# Altium PCB IntelligentCarFor51PcbDoc.PcbDoc (part 1 of 14)
Units mil, origin at the board's own origin, x right, y up, seen from the top; angles counter-clockwise.
Board outline 2298.05 x 2090.03 mil, 2 copper layers (Top Layer, Bottom Layer); 55 components, 66 nets, 258 pads, 143 vias.
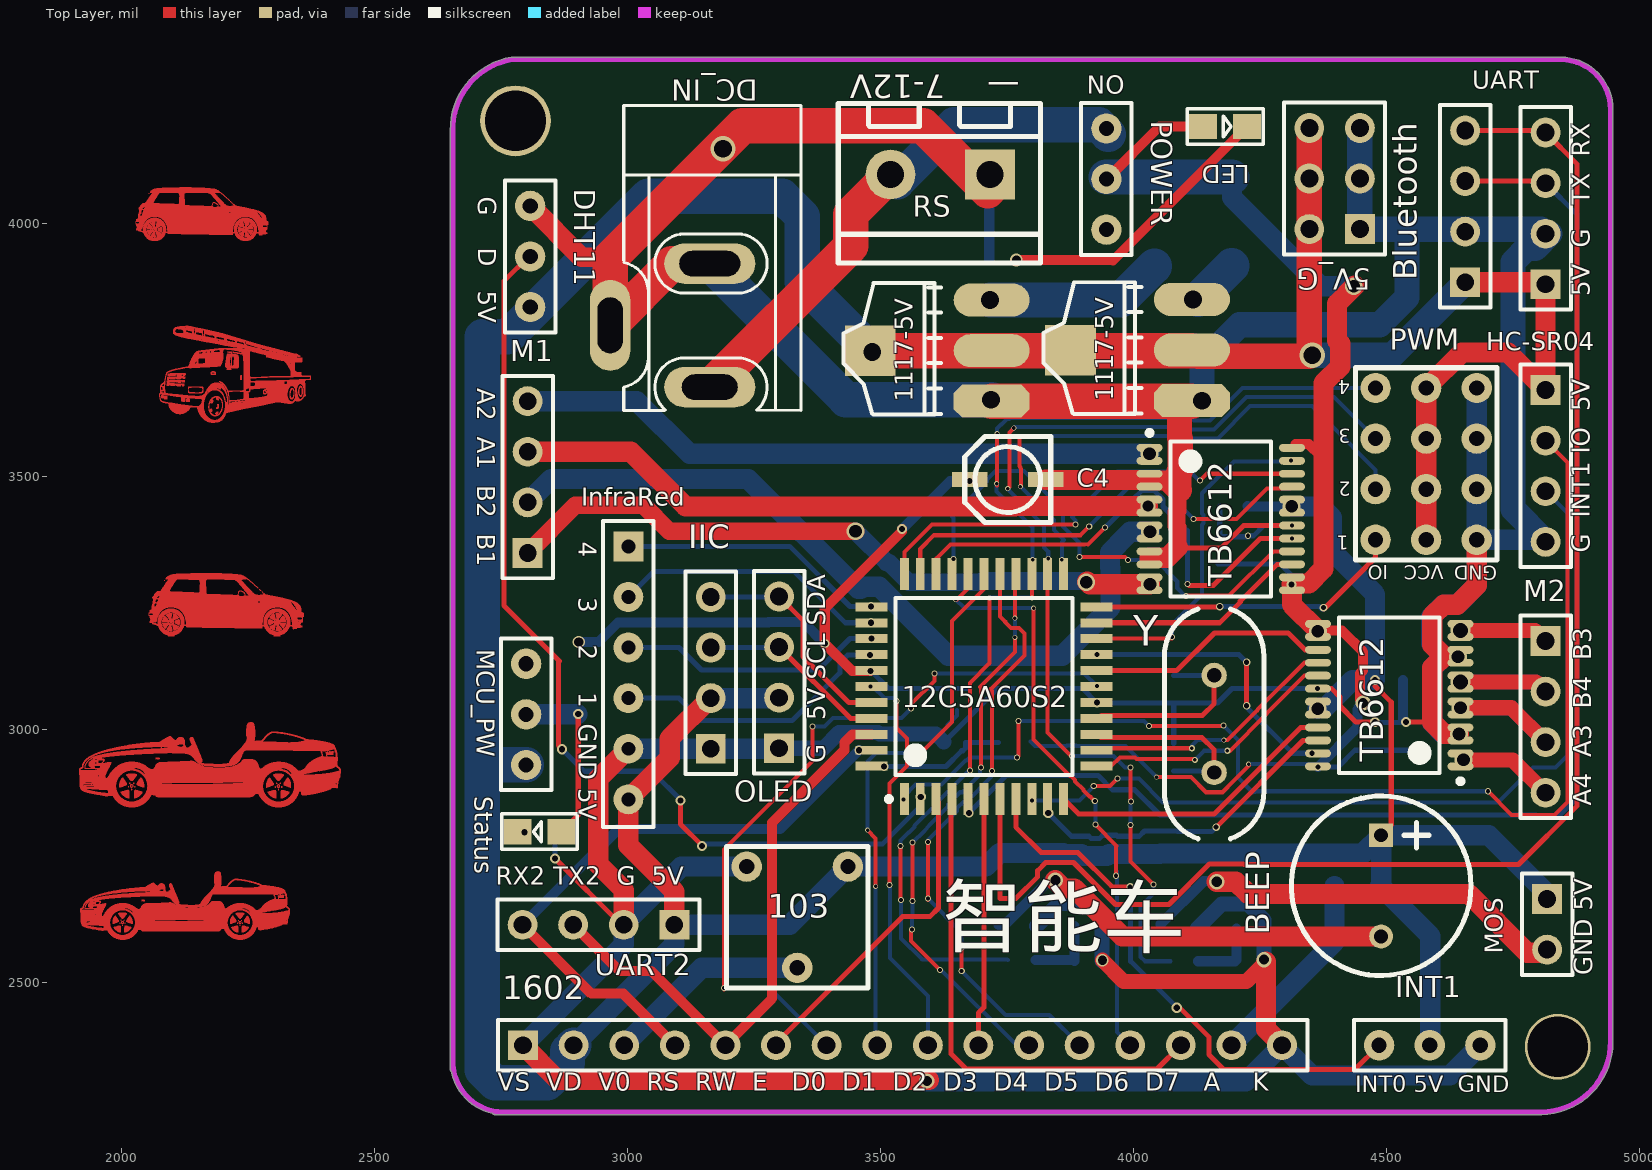
[diagram p0: Top Layer view]
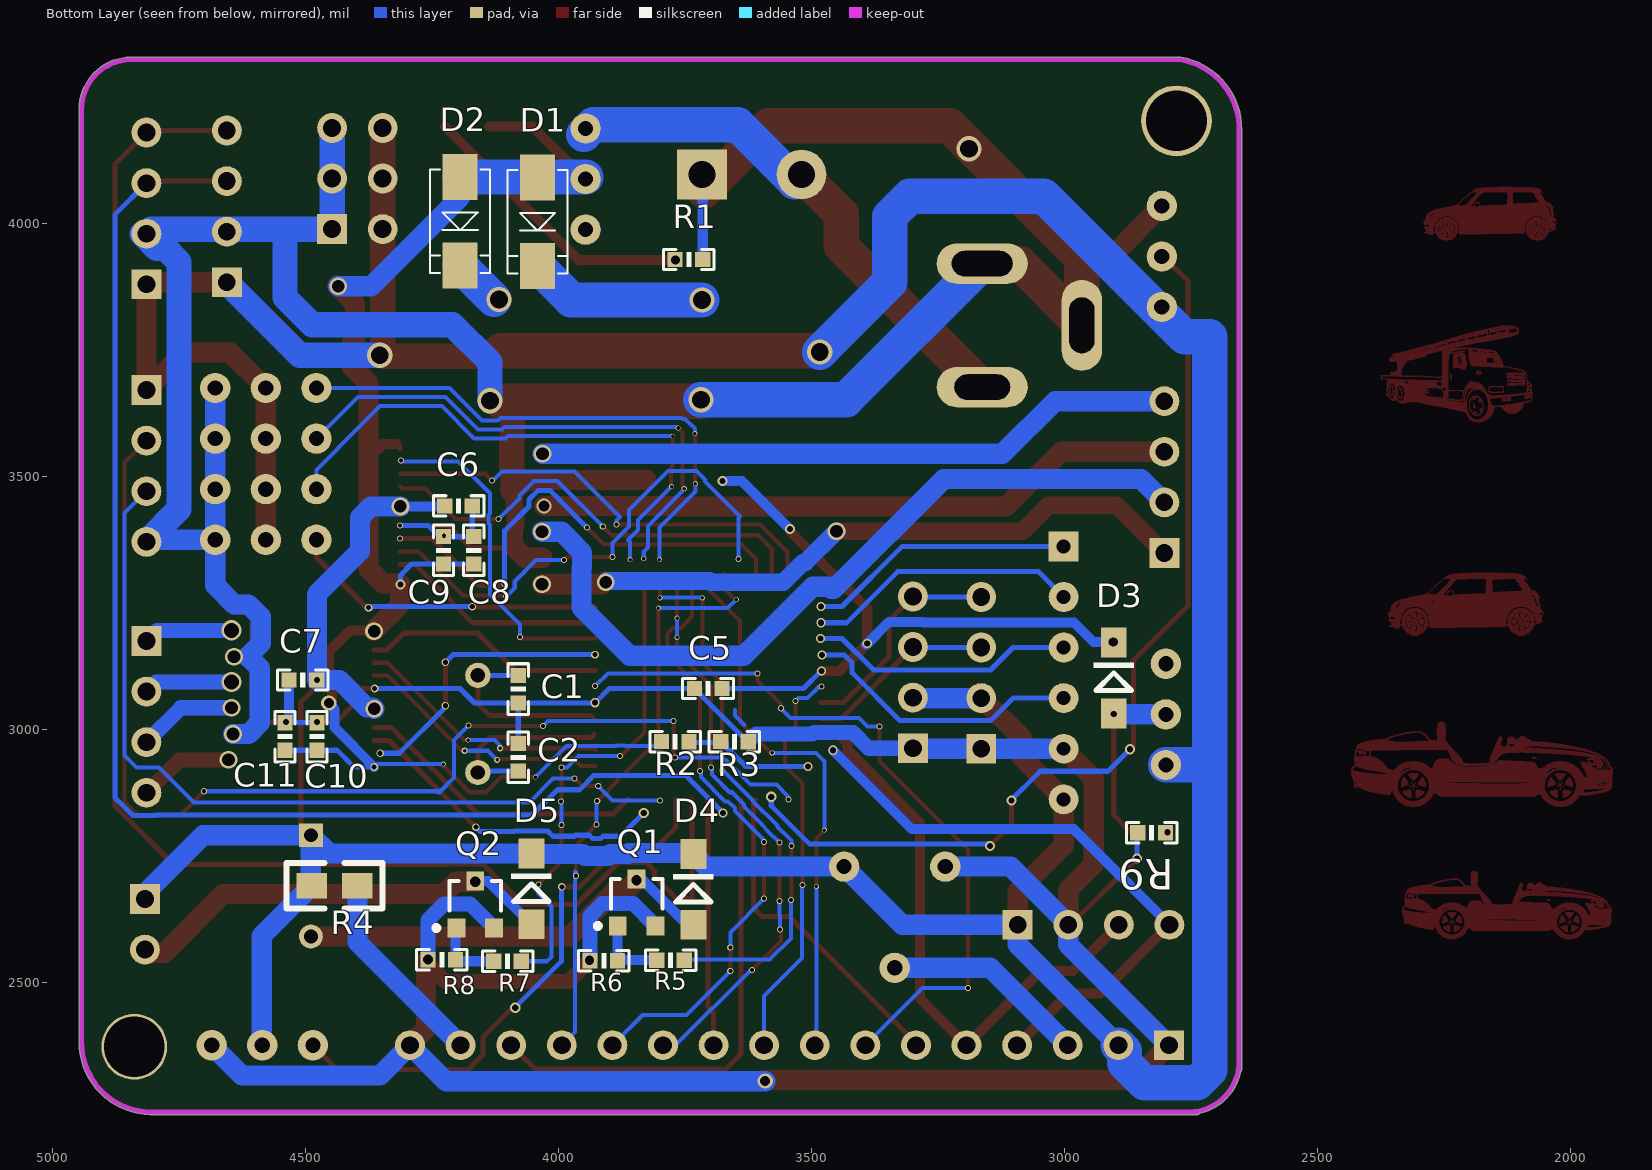
[diagram p1: Bottom Layer view, seen from below]

## Layer stack, top to bottom
Top Solder: solder mask 0.4, Solder Resist, Dk 3.5
Top Layer: signal copper 1.4
Dielectric 1: dielectric 12.6, FR-4, Dk 4.8
Bottom Layer: signal copper 1.4
Bottom Solder: solder mask 0.4, Solder Resist, Dk 3.5

## Board outline
2651.87,2325.08 ccw(c2756,2345) 2733.75,2241.34 ccw(c2738,2244) 2738,2238.99 4807,2238.99 ccw(c4807,2244) 4807.07,2238.99 ccw(c4805,2382) 4948.03,2382 ccw(c4805,2382) 4948.02,2384.03 ccw(c4805,2382) 4948.01,2384.07 4948.02,2384 4948.02,4224.97 ccw(c4845,4226) 4948.02,4226 ccw(c4845,4226) 4846.08,4329.01 ccw(c4845,4226) 4846.05,4329.01 4846.08,4329.01 ccw(c4846,4324) 4846,4329.02 2772,4329.02 ccw(c2772,4324) 2771.19,4328.95 ccw(c2794.33,4186.76) 2650.29,4184.72 ccw(c2655,4183) 2649.99,4183 2649.99,2346.03 cw(c2756,2345) 2649.99,2346.05 2649.99,2346.03 ccw(c2756,2345) 2649.99,2343.97 2649.99,2329 ccw(c2655,2329)

## Design rules (kind name [scope] priority, off if disabled: settings)
Clearance [All] p1: gap=10
DiffPairsRouting [All] p1: maxlimit=10 minlimit=7 mostfreqgap=10 toplayer_minwidth=15 toplayer_maxwidth=15 toplayer_prefwidth=15 bottomlayer_minwidth=15 bottomlayer_maxwidth=15 bottomlayer_prefwidth=15 maxuncoupledlength=500
FabricationTestpoint [All] p1: side=3 testpointundercomponent=TRUE minsize=20 maxsize=100 preferedsize=60 minholesize=0 maxholesize=40 preferedholesize=32 testpointgrid=1 allowsidetop=TRUE allowsidebottom=TRUE usegrid=TRUE gridtolerance=0.01
HoleSize [All] p1: absolutevalues=TRUE maxlimit=120 minlimit=1 maxpercent=80.000 minpercent=20.000
HoleToHoleClearance [All] p1: gap=2 allowstackedmicrovias=TRUE
MinimumSolderMaskSliver [All] p1: minsoldermaskwidth=0.2
PolygonConnect [All] p1: connectstyle=Relief reliefconductorwidth=10 reliefentries=4 polygonreliefangle="90 Angle" airgapwidth=10
RoutingVias [All] p1: holewidth=10 width=24 viastyle="Through Hole" minholewidth=6 minwidth=10 maxholewidth=30 maxwidth=50
SilkToSilkClearance [All] p1: silktosilkclearance=0
SilkToSolderMaskClearance [IsPad] p1: minsilkscreentomaskgap=0 clearancetoexposedcopper=TRUE
SolderMaskExpansion [All] p1: expansion=4
Width [All] p1: maxlimit=80 minlimit=7 preferedwidth=7
23 further rules are at their usual default settings.

## Classes and differential pairs
component class IntelligentCarFor51SchDoc: 1 5V_G 1602 * Bluetooth C1 C2 C4 C5 C6 C7 C8 C9 C10 C11 D1 D2 D3 D4 D5 DC_IN DHT11 HC-SR04 IIC InfraRed INT1 LED M1 M2 MCU_PW OLED P3 POWER PWM Q1 Q2 R1 R2 R3 R4 R5 R6 R7 R8 R9 RS Status UART UART2 Y

## Components (designator, comment, footprint, x,y, rotation, side; value= is the part's Value field where it differs from the comment)
5V_G "5V_G" HDR2X3 4448,3989 r90 top
1117-5 "AMS1117-5.0" AMS1117 4116,3650 r90 top
1117-5V "AMS1117-5.0" AMS1117 3720,3649 r90 top
1602 "1602" HDR1X16 2794,2376 r0 top
*1 "STC12C5A60S2" LQFP-44 3710,3050 r90 top
*10 "TB6612" TSOP65P760X120-24N 4258,3516 r0 top
*11 "TB6612" TSOP65P760X120-24N 4421,2968 r180 top
*12 "103R" R_change 3386,2639 r0 top
BEEP "BEEP" BELL-5 4490,2791 r270 top (schematic designator BEEP?)
Bluetooth "Bluetooth" HDR1X4 4656,3884 r90 top
C1 "22pF" 0603P 4080,3080 r270 bottom
C2 "22pF" 0603P 4080,2945 r90 bottom
C4 "10uF" Cap10uF 3752,3494 r0 top
C5 "103" 0603P 3705,3081 r180 bottom
C6 "100nf" 0603P 4198,3442 r0 bottom
C7 "100nF" 0603P 4506,3098 r180 bottom
C8 "104" 0603P 4168,3354 r90 bottom
C9 "10uF" 0603P 4228,3354 r90 bottom
C10 "104" 0603P 4478,2986 r90 bottom
C11 "10uF" 0603P 4541,2986 r90 bottom
D1 "1N4148" DIODE_3*5.3 4042,4001 r270 bottom
D2 "1N4148" DIODE_3*5.3 4195,4002 r270 bottom
D3 "1N4148" DIODE_SOP 2903,3032 r90 bottom
D4 "1N4148" DIODE_SOP 3734,2614 r90 bottom
D5 "1N4148" DIODE_SOP 4054,2615 r90 bottom
DC_IN "POWER" DC10B 2993,4096 r270 top
DHT11 "DHT11" header1*3 2803,3970 r90 top
HC-SR04 "HC-SR04" HDR1X4 4815,3671 r270 top
IIC "oled" HDR1X4 3165,2962 r90 top
InfraRed "InfraRed" header1*6 3107,2987 r270 top
INT1 "INT0" header1*3 4621,2381 r0 top
LED "LED1" SMDLED 4138,4192 r0 top
M1 "M1" HDR1X4 2803,3349 r90 top
M2 "M2" HDR1X4 4815,3175 r270 top
MCU_PW "POWER" header1*3 2805,2995 r270 top
MOS "M" HDR1X2 4818,2665 r270 top (schematic designator P2)
OLED "oled" HDR1X4 3300,2963 r90 top
POWER "POWER" header1*3 3952,4053 r270 top
PWM "SteeringEngine" HEAD3*4 4539,3460 r180 top (schematic designator SteeringEngine)
Q1 "S8550" SOT-23R 3846,2653 r180 bottom
Q2 "S8550" SOT-23R 4165,2649 r180 bottom
R1 "1K" 0603P 3743,3929 r180 bottom
R2 "10K" 0603P 3770,2976 r180 bottom
R3 "3K" 0603P 3653,2976 r180 bottom
R4 "10R" 0805 4488,2691 r180 bottom
R5 "100R" 0603P 3779,2544 r0 bottom
R6 "10K" 0603P 3911,2543 r0 bottom
R7 "100R" 0603P 4101,2542 r0 bottom
R8 "10K" 0603P 4231,2545 r0 bottom
R9 "1K" 0603P 2828,2796 r0 bottom
RS "RS485" HEAD2L-0.8 3717,4097 r180 top
Status "LED1" SMDLED 2870,2798 r180 top
UART "UART" HDR1X4 4815,3880 r90 top
UART2 "UART2" HDR1X4 3093,2614 r180 top
Y "12M" XTAL_US 4160,2915 r90 top

## Footprints (in the part's own frame and the unit in brackets; to place one, negate y for a bottom-side part, rotate by r counter-clockwise, add the part's x,y. Pads: shape width x height; smd on the part's side, far side on the other; paste and mask are expansions set on the pad)
0603P [mil]
  rect 30x30 smd: 1(-27,0) 2(27.5,-0.06)
  silkscreen extent -50,-20 50,20
0805 [mil]
  rect 60x50 smd: 1(0,0) 2(90,-0.06)
  silkscreen extent -50,-45 140,45
AMS1117 [mil]
  oct 65x150 smd: 1(0.03,-0.06)
  oval 65x150 smd: 2(100.03,-0.06) 3(200.03,-0.06)
  rect 100x100 smd: 4(100.03,239.94)
  silkscreen extent -26,100 234,293
BELL-5 [mm]
  rect 1.2x1.2 hole 0.7: 1(0,0)
  round 1.2 hole 0.7: 2(5.08,0)
  silkscreen extent -1.97,-4.51 7.05,4.51
Cap10uF [mil]
  rect 70x30 smd: 1(-75,0) 2(75,0)
  silkscreen extent -85,-85 85,85
DC10B [mil]
  oval 80x180 hole 50 slot 110 at 90 deg: 1(419.09,170)
  oval 80x180 hole 50 slot 120 at 90 deg: 2(175,170)
  oval 180x80 hole 50 slot 110 at 0 deg: 3(297.05,-26.85)
  silkscreen extent -138,0 465,350
DIODE_3*5.3 [mm]
  rect 2.3x1.75 smd: 1(-2.286,0) 2(2.159,0)
  silkscreen extent -2.67,-1.5 2.54,1.5
DIODE_SOP [mm]
  rect 1.5x1.3 smd: 1(0,0) 2(3.556,0)
  silkscreen extent 1.14,-1.02 2.56,1.02
HDR1X2 [mm]
  rect 1.5x1.5 hole 0.9: 1(0,0)
  round 1.5 hole 0.9: 2(2.54,0)
  silkscreen extent -1.27,-1.27 3.81,1.27
HDR1X4 [mm]
  rect 1.5x1.5 hole 0.889: 1(0,0)
  round 1.5 hole 0.889: 2(2.54,0) 3(5.08,0) 4(7.62,0)
  silkscreen extent -1.27,-1.27 8.89,1.27
HDR1X16 [mm]
  rect 1.5x1.5 hole 0.9: 1(0,0)
  round 1.5 hole 0.9: 2(2.54,0) 3(5.08,0) 4(7.62,0) 5(10.16,0) 6(12.7,0) 7(15.24,0) 8(17.78,0) 9(20.32,0) 10(22.86,0) 11(25.4,0) 12(27.94,0) 13(30.48,0) 14(33.02,0) 15(35.56,0) 16(38.1,0)
  silkscreen extent -1.27,-1.27 39.37,1.27
HDR2X3 [mm]
  rect 1.5x1.5 hole 0.9: 1(0,0)
  round 1.5 hole 0.9: 2(0,2.54) 3(2.54,0) 4(2.54,2.54) 5(5.08,0) 6(5.08,2.54)
  silkscreen extent -1.27,-1.27 6.35,3.81
HEAD2L-0.8 [mm]
  rect 2.5x2.5 hole 1.35: 1(0,0)
  round 2.5 hole 1.35: 2(5,0)
  silkscreen extent -2.54,-3.56 7.62,4.45
HEAD3*4 [mil]
  round 60 hole 30: 1(60,85) 2(60,-15) 3(60,-115) 4(60,-215) 5(-40,85) 5(-40,-15) 5(-40,-115) 5(-40,-215) 6(-140,-115) 6(-140,-15) 6(-140,85) 6(-140,-215)
  silkscreen extent -180,-255 100,125
header1*3 [mil]
  round 60 hole 30: 1(-135,-5) 2(-35,-5) 3(65,-5)
  silkscreen extent -185,-55 115,45
header1*6 [mm]
  rect 1.5x1.5 hole 0.7: 1(-9.525,-2.667)
  round 1.5 hole 0.7: 2(-6.985,-2.667) 3(-4.445,-2.667) 4(-1.905,-2.667) 5(0.635,-2.667) 6(3.175,-2.667)
  silkscreen extent -10.79,-3.94 4.57,-1.4
LQFP-44 [mm]
  rect 1.6x0.45 smd: 1(-4.761,4.127) 2(-4.761,3.327) 3(-4.761,2.527) 4(-4.761,1.727) 5(-4.761,0.927) 6(-4.761,0.127) 7(-4.761,-0.673) 8(-4.761,-1.473) 9(-4.761,-2.273) 10(-4.761,-3.073) 11(-4.761,-3.873) 23(6.539,-3.873) 24(6.539,-3.073) 25(6.539,-2.273) 26(6.539,-1.473) 27(6.539,-0.673) 28(6.539,0.127) 29(6.539,0.927) 30(6.539,1.727) 31(6.539,2.527) 32(6.539,3.327) 33(6.539,4.127)
  rect 0.45x1.6 smd: 12(-3.111,-5.523) 13(-2.311,-5.523) 14(-1.511,-5.523) 15(-0.711,-5.523) 16(0.089,-5.523) 17(0.889,-5.523) 18(1.689,-5.523) 19(2.489,-5.523) 20(3.289,-5.523) 21(4.089,-5.523) 22(4.889,-5.523) 34(4.889,5.777) 35(4.089,5.777) 36(3.289,5.777) 37(2.489,5.777) 38(1.689,5.777) 39(0.889,5.777) 40(0.089,5.777) 41(-0.711,5.777) 42(-1.511,5.777) 43(-2.311,5.777) 44(-3.111,5.777)
  silkscreen extent -4.89,-4.32 5.34,5.03, body extent -4.11,-4.87 5.89,5.13, height 1.6
R_change [mil]
  round 60 hole 30: 1(-150,90) 2(-50,-110) 3(50,90)
  silkscreen extent -190,-150 90,130
SMDLED [mm]
  rect 1.4x1.27 smd: 1(0.001,-0.002) 2(2.211,-0.002)
  silkscreen extent -0.8,-0.89 3.01,0.89
SOT-23R [mm]
  rect 0.9x0.95 smd: 1(0.95,-1.048) 2(-0.95,-1.048) 3(0,1.302)
  silkscreen extent -2.07,-1.17 1.3,1.3
TSOP65P760X120-24N [mm]
  oval 1.3x0.4 smd: 1(-5.734,1.035) 2(-5.734,0.385) 3(-5.734,-0.265) 4(-5.734,-0.915) 5(-5.734,-1.565) 6(-5.734,-2.215) 7(-5.734,-2.865) 8(-5.734,-3.515) 9(-5.734,-4.165) 10(-5.734,-4.815) 11(-5.734,-5.465) 12(-5.734,-6.115) 13(1.416,-6.115) 14(1.416,-5.465) 15(1.416,-4.815) 16(1.416,-4.165) 17(1.416,-3.515) 18(1.416,-2.865) 19(1.416,-2.215) 20(1.416,-1.565) 21(1.416,-0.915) 22(1.416,-0.265) 23(1.416,0.385) 24(1.416,1.035)
  silkscreen extent -5.86,-6.44 0.37,1.91, body extent -4.96,-6.44 0.64,1.36, height 1.2
XTAL_US [mil]
  round 50 hole 28: 1(0,0) 2(192.13,0)
  silkscreen extent -131,-98 323,98

## Part data
5V_G: library part "Header 3X2", "Header, 3-Pin, Dual row"
1117-5 1117-5V: library part AMS1117
1602: library part "Header 16", "Header, 16-Pin"
*12 INT1 MCU_PW POWER: library part header3*1
Bluetooth UART UART2: library part Header4booth
C1 C2 C5 C6 C7 C8 C9 C10 C11: library part C
C4: library part CAP
D1 D2 D3 D4 D5: library part D
DC_IN: library part POW
DHT11: library part DHT11_2
HC-SR04 M1 M2: library part "Header 4", "Header, 4-Pin"
InfraRed PWM: library part header1*6
LED Status: library part LED2, "Typical RED, GREEN, YELLOW, AMBER GaAs LED"
MOS: library part "Header 2", "Header, 2-Pin"
Q1 Q2: library part PNP, "8550/BCW68"
R1 R2 R3 R4 R5 R6 R7 R8 R9: library part R
RS: library part HEAD2
Y: library part XTAL, "Crystal Oscillator"

## Free pads (board coordinates)
  round 140 hole 120: 1(2779,4203)
  round 130 hole 120: 2(4839,2373)

## Via types
v1: diameter 12, hole 8, Top Layer to Bottom Layer, 53 vias
v2: diameter 10, hole 7, Top Layer to Bottom Layer, 20 vias
v3: diameter 20, hole 12, Top Layer to Bottom Layer, 15 vias
v4: diameter 35, hole 25, Top Layer to Bottom Layer, 13 vias
v5: diameter 15, hole 10, Top Layer to Bottom Layer, 10 vias
v6: diameter 18, hole 12, Top Layer to Bottom Layer, 10 vias
v7: diameter 50, hole 35, Top Layer to Bottom Layer, 7 vias
v8: diameter 30, hole 20, Top Layer to Bottom Layer, 5 vias
v9: diameter 12, hole 7, Top Layer to Bottom Layer, 3 vias
v10: diameter 25, hole 18, Top Layer to Bottom Layer, 2 vias
v11: diameter 40, hole 30, Top Layer to Bottom Layer, 2 vias
v12: diameter 8, hole 7, Top Layer to Bottom Layer, 1 vias
v13: diameter 30, hole 22, Top Layer to Bottom Layer, 1 vias
v14: diameter 24, hole 18, Top Layer to Bottom Layer, 1 vias

## Nets (pads, with @x,y where several pads share a name; then routed paths per layer and width w, separated by ;. In a path a pad name is that pad's centre, name@x,y a point inside that pad or via, vN(x,y) a via of type N, cw(c..) or ccw(c..) an arc to the next point about the centre after c; other vN are vias at no path point)
5V: 5V_G.2 5V_G.4 5V_G.6 1117-5.2 1117-5.4 1117-5V.2 1117-5V.4 1602.2 *10.19 *10.20 *11.19 *11.20 *12.3 BEEP.1 Bluetooth.1 C6.2 C7.2 D4.2 D5.2 DHT11.1 HC-SR04.1 IIC.2 InfraRed.6 INT1.2 MCU_PW.3 MOS.1 OLED.2 PWM.5 R4.1 UART2.1 UART.1 | length 9887.2
  Top Layer w10: *10.19@4313.75,3428.8 *10.20@4313.75,3454.39 ; *11.20@4365.25,3029.61 *11.19@4365.25,3055.2 ; v3(4478,3098) 4478,3086 4510,3054 4510,2811 BEEP.1@4490,2791
  Top Layer w40: 1602.2@2894,2376 1602.2@2894,2383 ; UART2.1@3093,2614 3093,2680 3002,2771 InfraRed.6@3002,2862 3084,2944 3084,2982.48 3163.52,3062 IIC.2@3165,3062 ; PWM.5@4579,3375 PWM.5@4579,3475 PWM.5@4579,3575 PWM.5@4579,3675 4649,3745 4741,3745 HC-SR04.1@4815,3671 UART.1@4815,3880 ; Bluetooth.1@4656,3884 UART.1@4811,3884
  Top Layer w50: 1117-5.2@4116.06,3750.03 4128.1,3738 4348,3738 5V_G.2@4348,3989 5V_G.4@4348,4089 5V_G.6@4348,4189
  Top Layer w70: 1117-5V.4@3480.06,3749.03 1117-5V.2@3720.06,3749.03 1117-5.2@4115.06,3749.03
  Bottom Layer w20: C6.2@4225.5,3442.06 4226.56,3441 v4(4313,3441)
  Bottom Layer w40: 1602.2@2894,2376 3093,2575 UART2.1@3093,2614 3321,2614 *12.3@3436,2729 3709,2729 D4.2@3734,2754 3736,2756 3861.5,2756 3863.5,2754 3897.8,2754 3901.8,2750 3948.2,2750 3952.2,2754 D5.2@4053,2754 ; IIC.2@3165,3062 OLED.2@3299,3062 ; D5.2@4054,2755 4454,2755 BEEP.1@4490,2791 ; v4(4313,3441) 4371,3441 4393,3419 4393,3352 4478,3267 v3(4478,3098) 4434.03,3098 4379.53,3043.5 4367.25,3043.5 v4(4364.75,3041) ; INT1.2@4587,2377 4587,2592 R4.1@4488,2691 4490,2693 BEEP.1@4490,2791 ; MOS.1@4823.5,2670.5 4703,2791 BEEP.1@4490,2791
  Bottom Layer w50: v7(4354,3740) 4512,3740 Bluetooth.1@4656,3884
  Bottom Layer w70: MCU_PW.3@2800,2930 2720,2930 2713,2923 ; 1602.2@2894,2376 2881.85,2363.85 2881.85,2341.15 2842.17,2301.47 2738.53,2301.47 2713,2327 2713,2923 ; v7(3484,3746) 3346,3884 3346,4014 3306,4054 3041,4054 2763,3776 2713,3776 2713,2923
5V_O: D3.1 MCU_PW.2 Status.1 | length 347.6
  Top Layer w10: Status.1@2869.97,2798.06 2903,2831.1 v3(2903,3031)
  Bottom Layer w40: MCU_PW.2@2800,3030 D3.1@2901,3030
7.4V: DC_IN.1 POWER.1 RS.2 | length 1039.2
  Top Layer w70: DC_IN.1@3163,3676.91 3442,3955.91 3442,4018.85 RS.2@3520.15,4097
  Bottom Layer w70: RS.2@3534.07,4083.07 3646,4195 3932,4195 POWER.1@3951,4176
1602E: 1602.6 *1.3 | length 734.3
  Top Layer w10: 1602.6@3294,2376 3318,2376 3294,2352 3294,2380 3544,2630 3598,2630 3615,2647 3615,2858.07 *1.3@3611,2862.07
ADC: *1.44 R2.2 R3.1 | length 251.8
  Bottom Layer w10: v6(3507,2927) 3629.85,2927 3660.85,2958 3663,2958 3669,2964 3669,2974 R2.2@3733.44,2974
AO1: *10.5 *10.6 M1.3 | length 1296.7
  Top Layer w10: *10.6@4032.25,3428.8 *10.5@4032.25,3454.39
  Top Layer w40: M1.3@2803,3549 3007,3549 3115,3441 3766.5,3441 3767.5,3442 v13(4029,3442)
AO2: *10.1 *10.2 M1.4 | length 1297.9
  Top Layer w10: *10.2@4032.25,3531.16 v4(4032.25,3545) *10.1@4032.25,3556.75
  Bottom Layer w40: M1.4@2803,3649 3019,3649 3123,3545 v4(4032.25,3545)
AO3: *11.5 *11.6 M2.3 | length 392.8
  Top Layer w30: v4(4646.75,3043) 4747,3043 M2.3@4815,2975
  Bottom Layer w30: v4(4646.75,3043) 4747,3043 M2.3@4815,2975
AO4: *11.1 *11.2 M2.4 | length 189.2
  Top Layer w30: v4(4652.75,2940.05) 4749.95,2940.05 M2.4@4815,2875
BO1: *10.11 *10.12 M1.1 | length 1334
  Top Layer w35: M1.1@2803,3349 2897,3443 3032,3443 3083,3392 v4(3451,3392)
  Top Layer w40: v4@3909,3292 3914,3287 v4(4033,3287)
  Bottom Layer w35: v4(3451,3392) 3513.5,3329.5 3517.83,3329.5 3556.33,3291 3699.04,3291 3701.54,3293.5 3904.5,3293.5 v4(3907,3291)
BO2: *10.7 *10.8 M1.2 | length 1589.9
  Top Layer w10: *10.8@4032.25,3377.61 *10.7@4032.25,3403.2
  Bottom Layer w40: M1.2@2803,3449 2849,3495 3239,3495 3456,3278 3461.85,3278 3465.85,3282 3498.15,3282 3634.15,3146 3860,3146 3955,3241 3955,3319.09 3954,3320.09 3954,3349.91 3971,3366.91 3971,3368 3994,3391 v4(4033,3391)
BO3: *11.11 *11.12 M2.1 | length 353.4
  Top Layer w30: v11(4647,3196) 4794,3196 M2.1@4815,3175
  Bottom Layer w30: v11(4647,3196) 4794,3196 M2.1@4815,3175
BO4: *11.7 *11.8 M2.2 | length 352.2
  Top Layer w30: v11(4646.75,3094) 4796,3094 M2.2@4815,3075
  Bottom Layer w30: v11(4646.75,3094) 4796,3094 M2.2@4815,3075
DATA: *1.2 DHT11.2 | length 1915.8
  Top Layer w10: DHT11.2@2806.5,3936.5 2756,3886 2756,3245 2866,3135 2864,3133 2864,2968 v3(2871,2961) ; v3(3105,2860) 3105,2813 v3(3148,2770)
  Bottom Layer w10: v3(2871,2961) 2914.53,2917.47 3048.53,2917.47 v3@3108,2858 ; v3(3148,2770) 3152,2774 3504.77,2774 3580,2849.23 v3(3580,2867)
GND: 5V_G.1 5V_G.3 5V_G.5 1117-5.1 1117-5V.1 1602.1 1602.16 *1.16 *10.3 *10.4 *10.9 *10.10 *10.18 *11.3 *11.4 *11.9 *11.10 *11.18 *12.1 Bluetooth.2 C1.2 C2.2 C4.2 C5.1 C6.1 C7.1 C8.2 C9.2 C10.2 C11.2 DC_IN.2 DC_IN.3 DHT11.3 HC-SR04.4 IIC.1 InfraRed.5 INT1.3 OLED.1 PWM.6 Q1.1 Q2.1 R1.2 R3.2 R6.2 R8.2 R9.2 RS.1 UART2.2 UART.2 | length 13359
  Top Layer w10: v3(2857,2745) 2988,2614 UART2.2@2993,2614 ; 4088,3359 4174,3359 4218.2,3403.2 v1(4313.75,3403.2) ; *11.18@4365.25,3080.8 4392.2,3080.8 4408.65,3064.35 4408.65,3046.35 4440,3015 v3(4478,3015) ; v3(4539,3015) 4590.08,3015
  Top Layer w30: v10(3939,2544) 3981,2502 4223.56,2502 v8@4262.56,2541
  Top Layer w35: 4087.84,3360.08 4087.84,3399.78 4085.5,3402.12 4085.5,3429.88 4087.84,3432.22 4087.84,3470.07
  Top Layer w40: 1602.1@2794,2376 2863,2307 v8@3596.53,2307 ; DHT11.3@2808.07,4035.07 2909.4,3933.75 2966.15,3932 ; UART2.2@2993,2614 2993,2683 2942.47,2733.53 2942.47,2902.47 InfraRed.5@3002,2962 ; C4.2@3827,3494 3827,3493.28 4031.97,3493.28 4032.99,3492.26 4065.66,3492.26 4087.84,3470.07 ; 4032.25,3339.74 4067.5,3339.74 4087.84,3360.08 ; v8@4262.56,2541 4262.56,2407.44 1602.16@4294,2376 ; v4(4644,2991) 4614.08,2991 4614.08,2991.74 4613.34,2991.74 4591.16,3013.93 4591.16,3122.07 4613.34,3144.26 4616.9,3144.26 4615.87,3145.28 4613.34,3145.28 4591.16,3167.47 4591.16,3224.44 4613.34,3246.62 4640.62,3246.62 4679,3285 PWM.6@4679,3375
  Top Layer w50: DC_IN.2@3088.2,3921 DC_IN.2@3163,3921 ; 4091.38,3473.61 4090,3474.99 4090,3507.98 4092.84,3510.83 4092.84,3574.51 4091.38,3575.97 4091.38,3625.35 4115.06,3649.03 1117-5.1@4116.06,3650.03
  Top Layer w70: DC_IN.2@3088.2,3921 DC_IN.3@2966.15,3798.95 2966.15,3932 3227.15,4193 3584.85,4193 RS.1@3712.85,4065 ; 1117-5V.1@3720.06,3649.03 1117-5.1@4115.06,3649.03
  Bottom Layer w10: R9.2@2855.5,2796.06 2857,2794.56 v3(2857,2745) v3@2857,2743 ; R3.2@3627.94,2976.94 C5.1@3732,3081 3900,3081 v6(3928,3053) 3928.5,3052.5 C1.2@4080.06,3052.5 ; C2.2@4080.06,2972.63 C1.2@4080.06,3052.5 ; C8.2@4167.94,3381 C9.2@4227.94,3381 ; C8.2@4171,3384.06 C6.1@4171,3442 ; v1(4226.94,3383) 4238,3383 4258.2,3403.2 v1(4313.75,3403.2) ; v5(4364,3081) 4195,3081 4166.5,3052.5 C1.2@4080.06,3052.5 ; C10.2@4477.94,3013.5 C11.2@4540.94,3013.5
  Bottom Layer w20: R1.2@3715.5,3928.94 RS.1@3715.5,4062.35 ; C11.2@4533,3021 C7.1@4533,3098
  Bottom Layer w30: OLED.1@3300,2963 3387.5,2963 3418.5,2994 3495.5,2994 3498.5,2991 3610.44,2991 R3.2@3625.5,2975.94 ; Q1.1@3808.6,2611.74 3852.86,2656 3914,2656 3938.5,2631.5 R6.2@3938.5,2543.06 ; Q2.1@4127.6,2607.74 4174.86,2655 4226.91,2655 4258.5,2623.41 v8(4258.5,2545.06)
  Bottom Layer w40: 1602.1@2794,2376 2993,2575 UART2.2@2993,2614 2993,2615.48 3106.52,2729 *12.1@3236,2729 ; InfraRed.5@3002,2962 IIC.1@3165,2962 OLED.1@3299,2962 ; v8(3592,2305) 4223,2305 1602.16@4294,2376 4354,2316 4626,2316 INT1.3@4686,2376 ; v4(4644,2991) 4613,2991 4591,3013 4591,3121 4614,3144 4615,3144 4589,3170 4589,3223 4613,3247 4641,3247 4679,3285 PWM.6@4679,3375 ; PWM.6@4679,3675 PWM.6@4679,3575 PWM.6@4679,3475 PWM.6@4679,3375 ; HC-SR04.4@4811,3375 PWM.6@4679,3375
  Bottom Layer w50: v7(4136,3650) 4136,3726 4210,3800 4487.15,3800 4541,3853.85 4541,3989 5V_G.1@4448,3989 ; 5V_G.5@4448,4189 5V_G.3@4448,4089 5V_G.1@4448,3989 ; UART.2@4806,3989 5V_G.1@4448,3989 ; HC-SR04.4@4815,3371 4750.47,3435.53 4750.47,3924.03 4777.72,3951.28 4794.83,3951.28 4823.55,3980 UART.2@4815,3980
  Bottom Layer w70: DC_IN.2@3163,3921 3432,3652 v7(3719,3652)
  other v4: 4642,3144
  other v7: 3189,4148
InfraRed1: *1.37 InfraRed.4 | length 561.6
  Bottom Layer w10: InfraRed.4@3002,3062 3102.03,3062 3146.56,3017.47 3325.47,3017.47 3420,3112 3420,3131.72 3435.28,3147 v6(3480,3147)
InfraRed2: *1.36 InfraRed.3 | length 525.3
  Bottom Layer w10: InfraRed.3@3002,3162 3102.03,3162 3146.56,3117.47 3183.44,3117.47 3183.97,3118 3378,3118 3440,3180 v6(3483,3180)
InfraRed3: *1.35 InfraRed.2 | length 542.5
  Bottom Layer w10: InfraRed.2@3002,3262 3052,3312 3330,3312 3431,3211 v6(3482,3211)
InfraRed4: *1.34 InfraRed.1 | length 529.3
  Bottom Layer w10: InfraRed.1@3002,3362 3321,3362 3440,3243 v6(3482,3243)
INT0: *1.8 INT1.1 | length 1096
  Top Layer w10: *1.8@3767.99,2862.56 3767.99,2807.01 3818,2757 3890.3,2757 3958.3,2689 v5(3994,2689) ; v3(4086,2450) 4092,2450 4149.47,2392.53 4149.47,2357.56 4179.03,2328 4438,2328 INT1.1@4486,2376
  Bottom Layer w10: v5@3995,2687 3995,2542 4086,2451 v3(4086,2450)
INT1: *1.9 HC-SR04.3 | length 1674.6
  Top Layer w8: v1(3922,2888) 3954,2888 v1(3969,2903)
  Bottom Layer w8: v1(3800,2860) 3894,2860 v1(3922,2888) ; v1(3969,2903) 4011,2903 4058,2856 4721,2856 4790,2925 4835,2925 4858.53,2948.53 4858.53,3427.47 HC-SR04.3@4815,3471
Net1117-5_3: 1117-5.3 D2.2 | length 104.8
  Bottom Layer w50: v7(4118,3850) v7@4128,3850
  Bottom Layer w70: v7@4128,3850 D2.2@4195,3917
Net1117-5V_3: 1117-5V.3 D1.2 | length 352.8
  Bottom Layer w70: v7(3717,3849) 3975,3849 D1.2@4042,3916
Net1602_15: 1602.15 R4.2 | length 399.4
  Bottom Layer w40: 1602.15@4194,2376 4398,2580 R4.2@4398,2690.94
Net*1_14: *1.14 C2.1 Y.1 | length 364.4
  Top Layer w10: *1.14@3930,2990 3936,2984 4136,2984 4160,2960 Y.1@4160,2915
  Bottom Layer w10: C2.1@4080,2918 Y.1@4157,2918
Net*1_15: *1.15 C1.1 Y.2 | length 377
  Top Layer w10: *1.15@3931,3022 3937,3028 4137,3028 4160,3051 Y.2@4160,3107.13
  Bottom Layer w10: C1.1@4080.13,3107.13 Y.2@4160,3107.13
NetBEEP?_2: BEEP.2 D4.1 Q1.3 | length 839.4
  Top Layer w40: v8(3846,2702) 3862.48,2685.52 3884,2685.52 3978.52,2591 BEEP.2@4490,2591
  Bottom Layer w20: D4.1@3734,2614 3746,2614 3836.26,2704.26 Q1.3@3846,2704.26
NetD5_1: D5.1 MOS.2 Q2.3 | length 857.3
  Top Layer w40: v8(4165,2699) 4203,2699 4227,2675 4663,2675 4779,2559 MOS.2@4818,2559
  Bottom Layer w20: D5.1@4054,2615 4139.26,2700.26 Q2.3@4165,2700.26
NetLED_2: LED.2 R1.1 | length 566.2
  Top Layer w20: v10(3769,3928) 3959.1,3928 3960.1,3927 LED.2@4225.04,4191.94
NetQ1_2: Q1.2 R5.2 R6.1 | length 144.6
  Bottom Layer w20: R5.2@3806.5,2544.06 R6.1@3882.94,2544.06 ; R6.1@3884,2543 Q1.2@3884,2611.14
NetQ2_2: Q2.2 R7.2 R8.1 | length 133.7
  Bottom Layer w20: R7.2@4128.5,2542.06 R8.1@4201.06,2542.06 ; R8.1@4204,2545 Q2.2@4204,2606.14
NetR9_1: R9.1 Status.2
  other v3: 2797,2797
out7.4V: *10.13 *10.14 *10.24 *11.13 *11.14 *11.24 C8.1 C9.1 C10.1 C11.1 D1.1 D2.1 LED.1 POWER.2 R2.1 | length 3063
  Top Layer w8: v2(4046,2906) 4113.85,2906 4143.85,2876 4176.15,2876 4199,2898.85 v2@4229.08,2928.92
  Top Layer w10: v3@4313.75,3287 v3@4313.75,3287.75 ; *10.24@4313.75,3554.03 *10.24@4313.75,3556.75 *10.24@4321,3564 ; 4371.34,3539.66 4376,3535
  Top Layer w20: POWER.2@3947.5,4087.5 4051.94,4191.94 LED.1@4138.03,4191.94 ; *10.24@4321,3564 4347,3564 4371.34,3539.66 ; v4@4365.25,3195.44 4412.56,3195.44 4454.5,3153.5 4454.5,3116.93 4448,3110.43 4448,3059 v8(4454.5,3052.5)
  Top Layer w40: v3(4313,3287) 4313.75,3287.75 4314.56,3288.56 4347.15,3288.56 4376,3317.41 4376,3535 4376,3684.22 4409,3717.22 4409,3762.78 4403,3768.78 4403,3842 v4@4438,3877 ; v3@4313.75,3287 *10.13@4313.75,3275.25 4313.75,3246.94 v4@4365.25,3195.44
  Bottom Layer w8: R2.1@3797,2976 3806,2967 3867.72,2967 3868.72,2968 3887.28,2968 3888.28,2967 3985,2967 v2(4046,2906) ; v2(4228,2931.56) 4359.44,2931.56
  Bottom Layer w10: C8.1@4168,3327 C9.1@4228,3327 4291,3327 4313,3305 v3(4313,3287) ; v5(4365,2926) 4405,2926 4438,2959 C10.1@4478,2959 C11.1@4541,2959
  Bottom Layer w20: v5(4365,2926) 4442.94,3003.94 4442.94,3039.94 v8@4456.5,3053.5
  Bottom Layer w40: D2.1@4195,4092 4195,4052 4371,3876 v4(4436,3876)
  Bottom Layer w70: POWER.2@3947,4092 D2.1@4195,4092
  other v4: 4365,3194
P04: *1.33 *10.22 | length 906.9
  Top Layer w8: *1.33@3547.52,3307.44 3547.52,3350.52 3602,3405 v1(3886,3405) ; v1(4132,3492) 4145.57,3505.57 *10.22@4313.75,3505.57
  Bottom Layer w8: v1(3886,3405) 3886,3413.46 3879.23,3420.23 3969,3510 4112,3510 4130,3492 v1(4132,3492)
P05: *1.32 *10.21 | length 901.6
  Top Layer w8: *1.32@3579.02,3307.44 3579.02,3356.56 3606.46,3384 3896,3384 v1(3913,3401) ; v1(4119,3416) 4204.13,3416 4264.39,3476.26 4310.03,3476.26 *10.21@4313.75,3479.98
  Bottom Layer w8: v1@3912,3400 v1(3913,3401) 4003,3491 4049.3,3491 4078,3462.3 4078,3457 v1(4119,3416)
P06: *1.31 *10.17 | length 974.5
  Top Layer w7: 3903.46,3366 3911,3366
  Top Layer w8: *1.31@3610.51,3307.44 3610.51,3337.51 3639,3366 3903.46,3366 ; 3911,3366 v1(3944,3399)
  Top Layer w10: v1(4107,3288) 4110,3285 4158.63,3285 4251.25,3377.61 v1(4313.75,3377.61)
  Bottom Layer w10: v1(3944,3399) 3999,3454 3999,3454.43 4016.57,3472 4041.43,3472 4059,3454.43 4059,3441 4107,3393 v1(4107,3288)
P07: *1.30 *10.16 | length 978.2
  Top Layer w8: v1(3894,3341) 3984,3341 v1(3990,3335) ; v1(4104,3264) 4104.5,3264.5 4189.5,3264.5 4277.02,3352.02 *10.16@4313.75,3352.02
  Bottom Layer w8: v1(3645,3337) 3645,3418 3642,3421 3711,3490 3711,3493.87 3728.13,3511 3784,3511 3861.23,3433.77 3861.23,3401.49 3894,3368.72 v1(3894,3341) ; v1(3990,3335) 4045,3335 4087,3293 4087,3279.72 4102.72,3264 v1(4104,3264)
P15: *1.1 HC-SR04.2 | length 2286
  Top Layer w8: v1(3770,2945) 3773,2948 v1(3773,3017) ; v1(4031,3007) v1@4177,3007 ; v1(4701,2878) 4748,2831 4832.56,2831 4858.53,2856.97 4858.53,3527.47 HC-SR04.2@4815,3571
  Bottom Layer w8: v1(3546,2862) 3546,2866.94 3570.06,2891 3620.72,2891 3668.72,2939 3670.87,2939 3676.87,2945 v1(3770,2945) ; v1(3773,3017) 4021,3017 v1(4031,3007) ; v1(4178,3008) 4207,2979 4207,2905 4236,2876 4239,2879 4241,2877 4242,2878 v1(4701,2878)
P20: *1.18 *11.15 | length 482.5
  Top Layer w10: *1.18@3927.44,3116.5 4085.92,3116.5 4160.41,3190.98 4191.29,3190.98 4306,3191 4339.43,3157.57 *11.15@4365.25,3157.57
P21: *1.19 *11.23 | length 549.8
  Top Layer w10: v5(4224,3047) v5(4224,3133)
  Bottom Layer w10: v5(3928.44,3147.99) 4209.01,3147.99 v5(4224,3133) ; v5@4227.5,3040.5 4315.16,2952.84 4315.37,2953.06 v5(4353.17,2953.06)
P22: *1.20 *10.23 | length 665.2
  Top Layer w8: *1.20@3927.44,3179.49 4076.49,3179.49 v1@4078,3181
  Bottom Layer w8: v1(4077,3183) 4077,3208 4136,3267 4136,3404.72 4139,3407.72 4139,3424.28 4136,3427.28 4136,3467 4199,3530 v1@4313,3530
  other v1: 4312,3532
P23: *1.21 *10.15 | length 435.2
  Top Layer w10: *1.21@3927.44,3210.98 4170.8,3210.98 4211.5,3251.68 4211.5,3253.5 4284.43,3326.43 *10.15@4313.75,3326.43
P34: *1.10 *11.22 | length 637
  Top Layer w10: v5(4164,2807) 4335.43,2978.43 *11.22@4365.25,2978.43
  Bottom Layer w10: v3(3832,2835) 3878,2789 3912.3,2789 3916.3,2785 3933.7,2785 3939.7,2791 3966.59,2791 3968.59,2789 4011.67,2789 4022.2,2799.53 4085.8,2799.53 4087.33,2798 4155,2798 v5(4164,2807)
P35: *1.11 *11.21 | length 585.9
  Top Layer w10: *1.11@3862.48,2862.56 3892.04,2833 4160.02,2833 4205.21,2878.19 4243.23,2916.21 ; 4243.23,2916.23 4331.02,3004.02 *11.21@4365.25,3004.02
P36: *1.12 *11.17 | length 516.6
  Top Layer w8: *1.12@3927.44,2927.52 3956.1,2927.52 3973.58,2945 4003.28,2945 4006.28,2942 4120,2942 v9(4122,2940) ; v9(4186,2958) 4190.86,2958 4263.5,3030.64 4263.5,3031.64 4338.25,3106.39 *11.17@4365.25,3106.39
  Bottom Layer w8: v9(4122,2940) 4140,2958 v9(4186,2958)
P37: *1.13 *11.16 | length 513
  Top Layer w8: *1.13@3927.44,2959.02 3931.43,2963 v9(4116,2963) ; v2(4179,2979) 4186.41,2979 4245.5,3038.09 4245.5,3039.09 4251.7,3045.3 4338.38,3131.98 *11.16@4365.25,3131.98
  Bottom Layer w8: v9(4116,2963) 4116,2968 4127,2979 v2(4179,2979)
P40: 1602.7 *1.17 | length 1471.6
  Top Layer w8: v1@3191,2486 v1(3191,2489) 3191,2763 3366,2938 v1(3366,3006) ; v1(3561,3042) 3561,3050 3607,3096 v1(3607,3111)
  Bottom Layer w8: v1(3191,2489) 3281,2489 1602.7@3394,2376 ; v1(3366,3006) 3389.49,3006 3406.49,3023 3542,3023 v1(3561,3042) ; v1(3607,3111) 3903,3111 v1(3928,3086)
P41: 1602.8 *1.28 | length 1085.1
  Top Layer w8: v2(3475,2801) 3491,2785 v2(3491,2690) ; v2@3580,2953 3642,3015 3642,3214.87 3705,3277.87 *1.28@3705,3307.44
  Bottom Layer w8: v2(3475,2801) 3475,2937 3492,2954 v2(3578,2954) ; v2(3491,2690) 3491,2379 1602.8@3494,2376
P42: 1602.9 *1.39 | length 798.5
  Top Layer w8: v1(3518,2693) 3518,2893.19 3553,2928.19 3553,2982.3 3531,3004.3 3532,3005.3 v1(3532,3056)
  Bottom Layer w8: v1(3481,3085) 3485.13,3085 3508.19,3061.94 3526.06,3061.94 v1(3532,3056) ; v1(3518,2693) 3519,2692 3519,2548 3594,2473 1602.9@3594,2376
P43: 1602.10 *1.6 | length 491.1
  Top Layer w10: 1602.10@3694,2376 3694,2440 3705,2451 *1.6@3705,2862.56
P44: 1602.11 *1.26 | length 1137.9
  Top Layer w8: v1(3563,2605) 3561,2603 3561,2582 v1(3618,2525) ; v1(3564,2661) v1(3564,2776.33) ; v1@3698,2926 v1(3699,2925) 3699,3082 3697,3084 3766,3153 v2(3766,3182) ; v2(3766,3220) 3766,3295.43 3765,3296.43 3772,3303.43 *1.26@3767.99,3307.44
  Bottom Layer w8: v1(3563,2605) v1(3564,2661) ; v1(3564,2776.33) 3587.48,2799.81 3597.2,2810.92 3634,2847.72 3634,2851.98 3658.02,2876 3662.28,2876 3697,2910.72 3697,2923 v1(3699,2925) ; v1@3619,2526 3769,2376 1602.11@3794,2376 ; v2(3766,3182) v2(3766,3220)
P45: 1602.12 *1.27 | length 1224.3
  Top Layer w8: v1@3594,2663 v1(3594,2666) v1(3594,2778) ; v1(3661,2523) v1(3661,2569) ; v1(3721,2918) 3721,3072.54 3720,3073.54 3721,3074.54 3720,3075.54 3721,3076.54 3718,3079.54 3785,3146.54 3785,3189.87 3773.87,3201 3758.13,3201 3747,3212.13 3747,3213.13 3736.5,3223.63 *1.27@3736.5,3307.44
  Bottom Layer w8: v1@3592,2778.87 3593.29,2780.16 3593.65,2780.16 3652,2838.51 3652,2844.53 3665.47,2858 3671.13,2858 3719,2905.87 v1@3719,2918 ; v1(3594,2666) 3661,2599 v1(3661,2569) ; v1(3661,2523) 3748,2436 3834,2436 1602.12@3894,2376
P46: 1602.13 *1.29 | length 1185.6
  Top Layer w8: v2@3651,3256 3673.5,3278.5 *1.29@3673.5,3307.44 ; v2(3803,3240) 3803,2980 3874.94,2908.06 3877.14,2908.06 3885.34,2899.85 3885.34,2897.66 3902,2881 3902,2879.72 3913.72,2868 3915,2868 v1(3924,2859) ; v1(3925,2812) 3967,2770 3966,2769 v1(3966,2711)
  Bottom Layer w8: v2(3649,3257) 3666,3240 v2(3803,3240) ; v1(3924,2859) 3923,2858 3925,2856 v1(3925,2812) ; v1(3966,2711) 3966,2718 3967.5,2719.5 3967.5,2402.5 1602.13@3994,2376
P47: 1602.14 *1.4 | length 990.3
  Top Layer w10: *1.4@3642.01,2862.56 3640,2860.55 3640,2359 3670,2329 4047,2329 1602.14@4094,2376
PWM1: *1.22 PWM.1 | length 634
  Top Layer w10: *1.22@3927.44,3242.48 v5@4170.48,3242.48 ; v5(4376,3241) 4376,3239 4377,3238 4479,3340 PWM.1@4479,3375
  Bottom Layer w10: v5(4171,3243) 4368,3243 4373,3238 v5(4376,3241)
PWM2: *1.23 PWM.2 | length 1108.1
  Top Layer w8: v12(3775,3580) 3775,3522 ; v2(3777,3480) 3778,3481 3778,3514.8 ; 3775,3522 3777.08,3517 3775,3522
  Bottom Layer w8: v12(3775,3580) 4099.93,3580 4104.93,3575 4167.07,3575 4231.07,3639 4353,3639 4435,3557 4435,3556.77 4479,3512.77 PWM.2@4479,3475 ; v2(3777,3480) 3843.23,3413.77 3843.23,3394.03 3863,3374.26 3859,3370.26 v2(3859,3336)
PWM3: *1.24 PWM.3 R7.1 | length 2034.9
  Top Layer w8: v2(3752,3476) 3755,3479 3755,3586.92 v2(3764,3595.92) ; *1.24@3830.98,3307.44 3830.98,2994.02 3877,2948 v1(3879,2948) ; v1@3995,2808.54 3995,2739 v1(4040,2694) ; v1@3995,2860 v1(3995,2925)
  Bottom Layer w8: v2(3752,3476) 3752,3474 3824,3402 3824,3360 3832,3352 v2(3832,3338) ; v2(3764,3595.92) 3766.08,3598 4107.39,3598 4112.39,3593 4159.61,3593 4223.61,3657 4397,3657 PWM.3@4479,3575 ; v1(3879,2948) 3961,2948 3984,2925 v1(3995,2925) ; v1(3995,2811) 3995,2850 ; v1(4040,2694) 4040,2675.92 4014.41,2650.33 4014.41,2550.41 4022.82,2542 R7.1@4074,2542
  other v1: 3996,2858
PWM4: *1.25 PWM.4 R5.1 | length 2188.3
  Top Layer w8: v1(3540,2770) 3540,2663 v1(3541,2663) ; v1(3677,2919) 3677,3092 3716,3131 v2(3716,3260) ; v2@3731,3482 v2(3731,3585) ; *1.25@3799.49,3307.44 3800,3306.93 v2(3800,3260.3)
  Bottom Layer w8: v1(3540,2770) 3540,2780.61 3555.72,2796.33 3557.2,2796.33 3567.84,2806.97 3567.84,2809.84 3616,2858 3616,2859.44 3675.56,2919 v1(3677,2919) ; v1(3541,2663) 3541,2587 3583,2545 3751,2545 R5.1@3752,2544 ; v2(3716,3260) 3716,3260.59 3717.41,3262 3718.12,3261.3 3799,3261.3 v2(3800,3260.3) ; v2(3730,3486) 3730,3470.54 3801,3399.54 v2(3801,3336) ; v2(3731,3585) 3731,3595 3739,3603 3739.3,3603 3750.22,3613.92 3754.92,3613.92 3757,3616 4114.85,3616 4119.85,3611 4152.15,3611 4216.15,3675 PWM.4@4479,3675
RXD: *1.7 Bluetooth.4 UART.4 | length 3001.9
  Top Layer w10: *1.7@3736.5,2862.56 3736.5,2666 3768,2666 3811,2709 3811,2721 3827,2737 3882.02,2737 3965.02,2654 4070.5,2654 4150.5,2734 4217.5,2734 4218.5,2733 4761.43,2733 4877.53,2849.1 4877.53,4117.47 UART.4@4815,4180 ; Bluetooth.4@4656,4184 UART.4@4811,4184
RXD2: 1602.4 *1.43 UART2.4 | length 1210.5
  Top Layer w20: UART2.4@2793,2614 2929,2478 2992,2478 1602.4@3094,2376
  Bottom Layer w20: UART2.4@2796,2614 UART2.4@2793,2614 2982,2803 3302,2803 v6(3458,2959)
SCL: *1.41 IIC.3 OLED.3 | length 375
  Top Layer w10: OLED.3@3300,3163 3440.99,3022.01 *1.41@3482.56,3022.01
  Bottom Layer w10: IIC.3@3165,3162 OLED.3@3299,3162
SDA: *1.40 IIC.4 OLED.4 | length 461.3
  Top Layer w10: OLED.4@3300,3263 3347,3216 3347,3144.28 3437.78,3053.5 *1.40@3482.56,3053.5
  Top Layer w20: OLED.4@3300,3263 OLED.4@3316,3263
  Bottom Layer w10: IIC.4@3165,3262 OLED.4@3299,3262
TXD: *1.5 Bluetooth.3 UART.3 | length 2675.6
  Top Layer w10: Bluetooth.3@4656,4084 UART.3@4811,4084
  Bottom Layer w10: v6(3675,2835) 3749,2909 3930.7,2909 3958.7,2881 4002.7,2881 4052.7,2831 4796.03,2831 4796.56,2830.47 4842.47,2830.47 4877.53,2865.53 4877.53,4017.47 UART.3@4815,4080
TXD2: 1602.5 *1.42 UART2.3 | length 1155.4
  Top Layer w20: UART2.3@2893,2614 2984,2523 3047,2523 1602.5@3194,2376 3286,2468 3286,2816 3429,2959 3429,2974.1 3445.42,2990.51 *1.42@3482.56,2990.51
V0: 1602.3 *12.2 | length 405.4
  Bottom Layer w40: 1602.3@2994,2376 3147,2529 *12.2@3336,2529
VCC: *1.38 C4.1 C5.2 D3.2 | length 1309.1
  Top Layer w20: v6(3481,3116) 3444,3116 v6(3390.32,3169.68) 3390.32,3239.32 3543,3392 v3(3543,3396)
  Bottom Layer w10: v6(3481,3116) 3516.06,3080.94 C5.2@3677.5,3080.94
  Bottom Layer w20: v14(2904,3173) 2942.96,3173 2981.49,3211.53 3278.49,3211.53 3279.49,3212.53 3347.47,3212.53 v6(3390.32,3169.68) v6@3392.32,3167.68 ; v3(3543,3396) 3638,3491 v3(3676,3491)
pads on no net: MCU_PW.1 POWER.3
copper on no net: | length 287380.1